# KiCad board rabbit_mask_capacitors.kicad_pcb (continued)
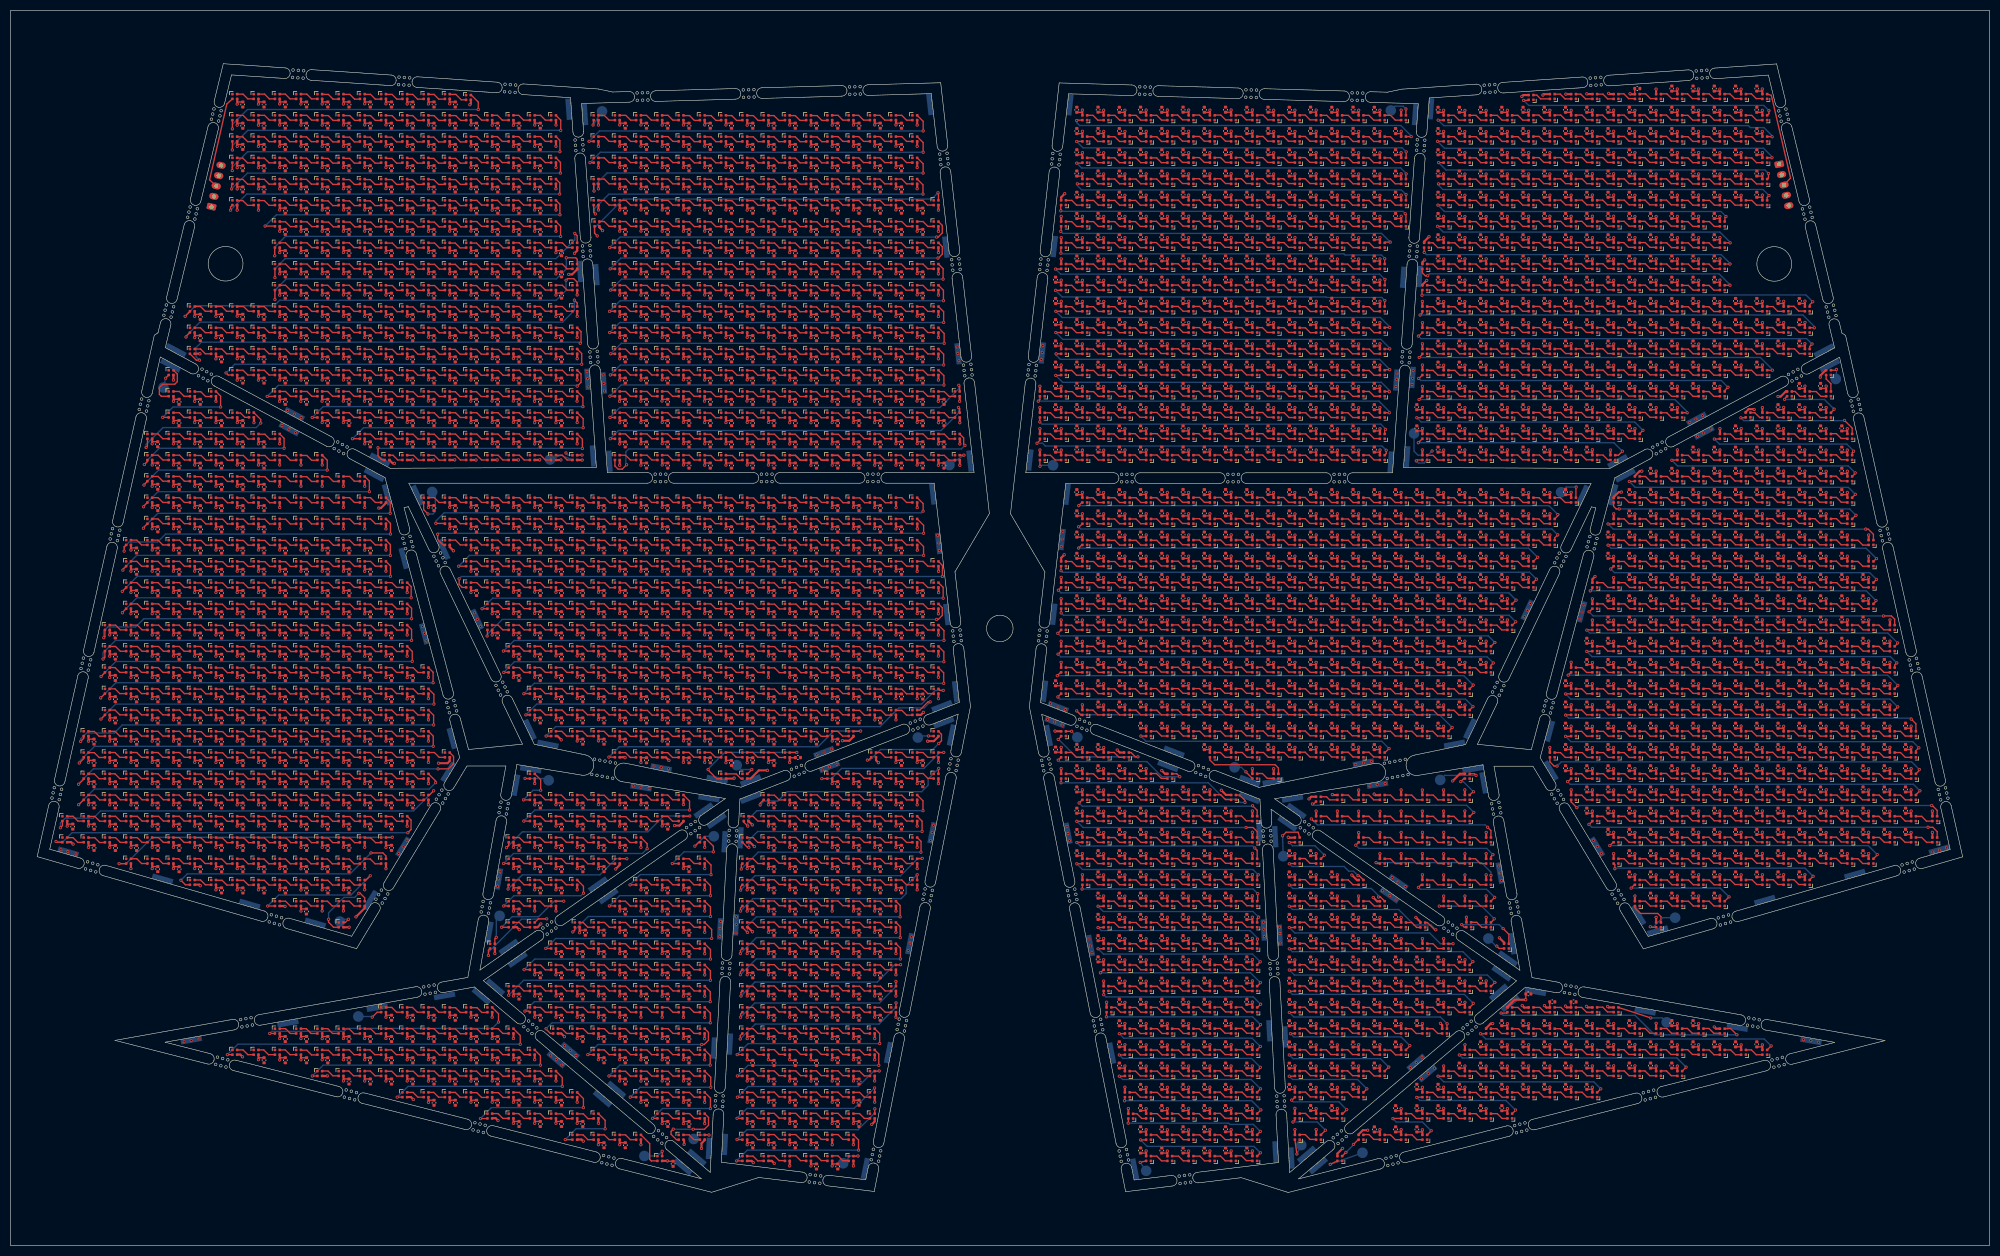
[diagram p0: board, top side]
## Nets (continued)
D1015.2 D1016.2 D1017.2 D1018.2 D1019.2 D1020.2 D1021.2 D1022.2 D1023.2 D1024.2 D1025.2 D1026.2 D1027.2 D1028.2 D1029.2 D1030.2 D1031.2 D1032.2 D1033.2 D1034.2 D1035.2 D1036.2 D1037.2 D1038.2 D1039.2 D1040.2 D1041.2 D1042.2 D1043.2 D1044.2 D1045.2 D1046.2 D1047.2 D1048.2 D1049.2 D1050.2 D1051.2 D1052.2 D1053.2 D1054.2 D1055.2 D1056.2 D1057.2 D1058.2 D1059.2 D1060.2 D1061.2 D1062.2 D1063.2 D1064.2 D1065.2 D1066.2 D1067.2 D1068.2 D1069.2 D1070.2 D1071.2 D1072.2 D1073.2 D1074.2 D1075.2 D1076.2 D1077.2 D1078.2 D1079.2 D1080.2 D1081.2 D1082.2 D1083.2 D1084.2 D1085.2 D1086.2 D1087.2 D1088.2 D1089.2 D1090.2 D1091.2 D1092.2 D1093.2 D1094.2 D1095.2 D1096.2 D1097.2 D1098.2 D1099.2 D1100.2 D1101.2 D1102.2 D1103.2 D1104.2 D1105.2 D1106.2 D1107.2 D1108.2 D1109.2 D1110.2 D1111.2 D1112.2 D1113.2 D1114.2 D1115.2 D1116.2 D1117.2 D1118.2 D1119.2 D1120.2 D1121.2 D1122.2 D1123.2 D1124.2 D1125.2 D1126.2 D1127.2 D1128.2 D1129.2 D1130.2 D1131.2 D1132.2 D1133.2 D1134.2 D1135.2 D1136.2 D1137.2 D1138.2 D1139.2 D1140.2 D1141.2 D1142.2 D1143.2 D1144.2 D1145.2 D1146.2 D1147.2 D1148.2 D1149.2 D1150.2 D1151.2 D1152.2 D1153.2 D1154.2 D1155.2 D1156.2 D1157.2 D1158.2 D1159.2 D1160.2 D1161.2 D1162.2 D1163.2 D1164.2 D1165.2 D1166.2 D1167.2 D1168.2 D1169.2 D1170.2 D1171.2 D1172.2 D1173.2 D1174.2 D1175.2 D1176.2 D1177.2 D1178.2 D1179.2 D1180.2 D1181.2 D1182.2 D1183.2 D1184.2 D1185.2 D1186.2 D1187.2 D1188.2 D1189.2 D1190.2 D1191.2 D1192.2 D1193.2 D1194.2 D1195.2 D1196.2 D1197.2 D1198.2 D1199.2 D1200.2 D1201.2 D1202.2 D1203.2 D1204.2 D1205.2 D1206.2 D1207.2 D1208.2 D1209.2 D1210.2 D1211.2 D1212.2 D1213.2 D1214.2 D1215.2 D1216.2 D1217.2 D1218.2 D1219.2 D1220.2 D1221.2 D1222.2 D1223.2 D1224.2 D1225.2 D1226.2 D1227.2 D1228.2 D1229.2 D1230.2 D1231.2 D1232.2 D1233.2 D1234.2 D1235.2 D1236.2 D1237.2 D1238.2 D1239.2 D1240.2 D1241.2 D1242.2 D1243.2 D1244.2 D1245.2 D1246.2 D1247.2 D1248.2 D1249.2 D1250.2 D1251.2 D1252.2 D1253.2 D1254.2 D1255.2 D1256.2 D1257.2 D1258.2 D1259.2 D1260.2 D1261.2 D1262.2 D1263.2 D1264.2 D1265.2 D1266.2 D1267.2 D1268.2 D1269.2 D1270.2 D1271.2 D1272.2 D1273.2 D1274.2 D1275.2 D1276.2 D1277.2 D1278.2 D1279.2 D1280.2 D1281.2 D1282.2 D1283.2 D1284.2 D1285.2 D1286.2 D1287.2 D1288.2 D1289.2 D1290.2 D1291.2 D1292.2 D1293.2 D1294.2 D1295.2 D1296.2 D1297.2 D1298.2 D1299.2 D1300.2 D1301.2 D1302.2 D1303.2 D1304.2 D1305.2 D1306.2 D1307.2 D1308.2 D1309.2 D1310.2 D1311.2 D1312.2 D1313.2 D1314.2 D1315.2 D1316.2 D1317.2 D1318.2 D1319.2 D1320.2 D1321.2 D1322.2 D1323.2 D1324.2 D1325.2 D1326.2 D1327.2 D1328.2 D1329.2 D1330.2 D1331.2 D1332.2 D1333.2 D1334.2 D1335.2 D1336.2 D1337.2 D1338.2 D1339.2 D1340.2 D1341.2 D1342.2 D1343.2 D1344.2 D1345.2 D1346.2 D1347.2 D1348.2 D1349.2 D1350.2 D1351.2 D1352.2 D1353.2 D1354.2 D1355.2 D1356.2 D1357.2 D1358.2 D1359.2 D1360.2 D1361.2 D1362.2 D1363.2 D1364.2 D1365.2 D1366.2 D1367.2 D1368.2 D1369.2 D1370.2 D1371.2 D1372.2 D1373.2 D1374.2 D1375.2 D1376.2 D1377.2 D1378.2 D1379.2 D1380.2 D1381.2 D1382.2 D1383.2 D1384.2 D1385.2 D1386.2 D1387.2 D1388.2 D1389.2 D1390.2 D1391.2 D1392.2 D1393.2 D1394.2 D1395.2 D1396.2 D1397.2 D1398.2 D1399.2 D1400.2 D1401.2 D1402.2 D1403.2 D1404.2 D1405.2 D1406.2 D1407.2 D1408.2 D1409.2 D1410.2 D1411.2 D1412.2 D1413.2 D1414.2 D1415.2 D1416.2 D1417.2 D1418.2 D1419.2 D1420.2 D1421.2 D1422.2 D1423.2 D1424.2 D1425.2 D1426.2 D1427.2 D1428.2 D1429.2 D1430.2 D1431.2 D1432.2 D1433.2 D1434.2 D1435.2 D1436.2 D1437.2 D1438.2 D1439.2 D1440.2 D1441.2 D1442.2 D1443.2 D1444.2 D1445.2 D1446.2 D1447.2 D1448.2 D1449.2 D1450.2 D1451.2 D1452.2 D1453.2 D1454.2 D1455.2 D1456.2 D1457.2 D1458.2 D1459.2 D1460.2 D1461.2 D1462.2 D1463.2 D1464.2 D1465.2 D1466.2 D1467.2 D1468.2 D1469.2 D1470.2 D1471.2 D1472.2 D1473.2 D1474.2 D1475.2 D1476.2 D1477.2 D1478.2 D1479.2 D1480.2 D1481.2 D1482.2 D1483.2 D1484.2 D1485.2 D1486.2 D1487.2 D1488.2 D1489.2 D1490.2 D1491.2 D1492.2 D1493.2 D1494.2 D1495.2 D1496.2 D1497.2 D1498.2 D1499.2 D1500.2 D1501.2 D1502.2 D1503.2 D1504.2 D1505.2 D1506.2 D1507.2 D1508.2 D1509.2 D1510.2 D1511.2 D1512.2 D1513.2 D1514.2 D1515.2 D1516.2 D1517.2 D1518.2 D1519.2 D1520.2 D1521.2 D1522.2 D1523.2 D1524.2 D1525.2 D1526.2 D1527.2 D1528.2 D1529.2 D1530.2 D1531.2 D1532.2 D1533.2 D1534.2 D1535.2 D1536.2 D1537.2 D1538.2 D1539.2 D1540.2 D1541.2 D1542.2 D1543.2 D1544.2 D1545.2 D1546.2 D1547.2 D1548.2 D1549.2 D1550.2 D1551.2 D1552.2 D1553.2 D1554.2 D1555.2 D1556.2 D1557.2 D1558.2 D1559.2 D1560.2 D1561.2 D1562.2 D1563.2 D1564.2 D1565.2 D1566.2 D1567.2 D1568.2 D1569.2 D1570.2 D1571.2 D1572.2 D1573.2 D1574.2 D1575.2 D1576.2 D1577.2 D1578.2 D1579.2 D1580.2 D1581.2 D1582.2 D1583.2 D1584.2 D1585.2 D1586.2 D1587.2 D1588.2 D1589.2 D1590.2 D1591.2 D1592.2 D1593.2 D1594.2 D1595.2 D1596.2 D1597.2 D1598.2 D1599.2 D1600.2 D1601.2 D1602.2 D1603.2 D1604.2 D1605.2 D1606.2 D1607.2 D1608.2 D1609.2 D1610.2 D1611.2 D1612.2 D1613.2 D1614.2 D1615.2 D1616.2 D1617.2 D1618.2 D1619.2 D1620.2 D1621.2 D1622.2 D1623.2 D1624.2 D1625.2 D1626.2 D1627.2 D1628.2 D1629.2 D1630.2 D1631.2 D1632.2 D1633.2 D1634.2 D1635.2 D1636.2 D1637.2 D1638.2 D1639.2 D1640.2 D1641.2 D1642.2 D1643.2 D1644.2 D1645.2 D1646.2 D1647.2 D1648.2 D1649.2 D1650.2 D1651.2 D1652.2 D1653.2 D1654.2 D1655.2 D1656.2 D1657.2 D1658.2 D1659.2 D1660.2 D1661.2 D1662.2 D1663.2 D1664.2 D1665.2 D1666.2 D1667.2 D1668.2 D1669.2 D1670.2 D1671.2 D1672.2 D1673.2 D1674.2 D1675.2 D1676.2 D1677.2 D1678.2 D1679.2 D1680.2 D1681.2 D1682.2 D1683.2 D1684.2 D1685.2 D1686.2 D1687.2 D1688.2 D1689.2 D1690.2 D1694.2 D1695.2 D1696.2 D1697.2 D1698.2 D1699.2 D1700.2 D1701.2 D1702.2 D1703.2 D1704.2 D1705.2 D1706.2 D1707.2 D1708.2 D1709.2 D1710.2 D1711.2 D1712.2 D1713.2 D1714.2 D1715.2 D1716.2 D1717.2 D1718.2 D1719.2 D1720.2 D1721.2 D1722.2 D1723.2 D1724.2 D1725.2 D1726.2 D1727.2 D1728.2 D1729.2 D1730.2 D1731.2 D1732.2 D1733.2 D1734.2 D1735.2 D1736.2 D1737.2 D1738.2 D1739.2 D1740.2 D1741.2 D1742.2 D1743.2 D1744.2 D1745.2 D1746.2 D1747.2 D1748.2 D1749.2 D1750.2 D1751.2 D1752.2 D1753.2 D1754.2 D1755.2 D1756.2 D1757.2 D1758.2 D1759.2 D1760.2 D1761.2 D1762.2 D1763.2 D1764.2 D1765.2 D1766.2 D1767.2 D1768.2 D1769.2 D1770.2 D1771.2 D1772.2 D1773.2 D1774.2 D1775.2 D1776.2 D1777.2 D1778.2 D1779.2 D1780.2 D1781.2 D1782.2 D1783.2 D1784.2 D1785.2 D1786.2 D1787.2 D1788.2 D1789.2 D1790.2 D1791.2 D1792.2 D1793.2 D1794.2 D1795.2 D1796.2 D1797.2 D1798.2 D1799.2 D1800.2 D1801.2 D1802.2 D1803.2 D1804.2 D1805.2 D1806.2 D1807.2 D1808.2 D1809.2 D1810.2 D1811.2 D1812.2 D1813.2 D1814.2 D1815.2 D1816.2 D1817.2 D1818.2 D1819.2 D1820.2 D1821.2 D1822.2 D1823.2 D1824.2 D1825.2 D1826.2 D1827.2 D1828.2 D1829.2 D1830.2 D1831.2 D1832.2 D1833.2 D1834.2 D1835.2 D1836.2 D1837.2 D1838.2 D1839.2 D1840.2 D1841.2 D1842.2 D1843.2 D1844.2 D1845.2 D1846.2 D1847.2 D1848.2 D1849.2 D1850.2 D1851.2 D1852.2 D1853.2 D1854.2 D1855.2 D1856.2 D1857.2 D1858.2 D1859.2 D1860.2 D1861.2 D1862.2 D1863.2 D1864.2 D1865.2 D1866.2 D1867.2 D1868.2 D1869.2 D1870.2 D1871.2 D1872.2 D1873.2 D1874.2 D1875.2 D1876.2 D1877.2 D1878.2 D1879.2 D1880.2 D1881.2 D1882.2 D1883.2 D1884.2 D1885.2 D1886.2 D1887.2 D1888.2 D1889.2 D1890.2 D1891.2 D1892.2 D1893.2 D1894.2 D1895.2 D1896.2 D1897.2 D1898.2 D1899.2 D1900.2 D1901.2 D1902.2 D1903.2 D1904.2 D1905.2 D1906.2 D1907.2 D1908.2 D1909.2 D1910.2 D1911.2 D1912.2 D1913.2 D1914.2 D1915.2 D1916.2 D1917.2 D1918.2 D1919.2 D1920.2 D1921.2 D1922.2 D1923.2 D1924.2 D1925.2 D1926.2 D1927.2 D1928.2 D1929.2 D1930.2 D1931.2 D1932.2 D1933.2 D1934.2 D1935.2 D1936.2 D1937.2 D1938.2 D1939.2 D1940.2 D1941.2 D1942.2 D1943.2 D1944.2 D1945.2 D1946.2 D1947.2 D1948.2 D1949.2 D1950.2 D1951.2 D1952.2 D1953.2 D1954.2 D1955.2 D1956.2 D1957.2 D1958.2 D1959.2 D1960.2 D1961.2 D1962.2 D1963.2 D1964.2 D1965.2 D1966.2 D1967.2 D1968.2 D1969.2 D1970.2 D1971.2 D1972.2 D1973.2 D1974.2 D1975.2 D1976.2 D1977.2 D1978.2 D1979.2 D1980.2 D1981.2 D1982.2 D1983.2 D1984.2 D1985.2 D1986.2 D1987.2 D1988.2 D1989.2 D1990.2 D1991.2 D1992.2 D1993.2 D1994.2 D1995.2 D1996.2 D1997.2 D1998.2 D1999.2 D2000.2 D2001.2 D2002.2 D2003.2 D2004.2 D2005.2 D2006.2 D2007.2 D2008.2 D2009.2 D2010.2 D2011.2 D2012.2 D2013.2 D2014.2 D2015.2 D2016.2 D2017.2 D2018.2 D2019.2 D2020.2 D2021.2 D2022.2 D2023.2 D2024.2 D2025.2 D2026.2 D2027.2 D2028.2 D2029.2 D2030.2 D2031.2 D2032.2 D2033.2 D2034.2 D2035.2 D2036.2 D2037.2 D2038.2 D2039.2 D2040.2 D2041.2 D2042.2 D2043.2 D2044.2 D2045.2 D2046.2 D2047.2 D2048.2 D2049.2 D2050.2 D2051.2 D2052.2 D2053.2 D2054.2 D2055.2 D2056.2 D2057.2 D2058.2 D2059.2 D2060.2 D2061.2 D2062.2 D2063.2 D2064.2 D2065.2 D2066.2 D2067.2 D2068.2 D2069.2 D2070.2 D2071.2 D2072.2 D2073.2 D2074.2 D2075.2 D2076.2 D2077.2 D2078.2 D2079.2 D2080.2 D2081.2 D2082.2 D2083.2 D2084.2 D2085.2 D2086.2 D2087.2 D2088.2 D2089.2 D2090.2 D2091.2 D2092.2 D2093.2 D2094.2 D2095.2 D2096.2 D2097.2 D2098.2 D2099.2 D2100.2 D2101.2 D2102.2 D2103.2 D2104.2 D2105.2 D2106.2 D2107.2 D2108.2 D2109.2 D2110.2 D2111.2 D2112.2 D2113.2 D2114.2 D2115.2 D2116.2 D2117.2 D2118.2 D2119.2 D2120.2 D2121.2 D2122.2 D2123.2 D2124.2 D2125.2 D2126.2 D2127.2 D2128.2 D2129.2 D2130.2 D2131.2 D2132.2 D2133.2 D2134.2 D2135.2 D2136.2 D2137.2 D2138.2 D2139.2 D2140.2 D2141.2 D2142.2 D2143.2 D2144.2 D2145.2 D2146.2 D2147.2 D2148.2 D2149.2 D2150.2 D2151.2 D2152.2 D2153.2 D2154.2 D2155.2 D2156.2 D2157.2 D2158.2 D2159.2 D2160.2 D2161.2 D2162.2 D2163.2 D2164.2 D2165.2 D2166.2 D2167.2 D2168.2 D2169.2 D2170.2 D2171.2 D2172.2 D2173.2 D2174.2 D2175.2 D2176.2 D2177.2 D2178.2 D2179.2 D2180.2 D2181.2 D2182.2 D2183.2 D2184.2 D2185.2 D2186.2 D2187.2 D2188.2 D2189.2 D2190.2 D2191.2 D2192.2 D2193.2 D2194.2 D2195.2 D2196.2 D2197.2 D2198.2 D2199.2 D2200.2 D2201.2 D2202.2 D2203.2 D2204.2 D2205.2 D2206.2 D2207.2 D2208.2 D2209.2 D2210.2 D2211.2 D2212.2 D2213.2 D2214.2 D2215.2 D2216.2 D2217.2 D2218.2 D2219.2 D2220.2 D2221.2 D2222.2 D2223.2 D2224.2 D2225.2 D2226.2 D2227.2 D2228.2 D2229.2 D2230.2 D2231.2 D2232.2 D2233.2 D2234.2 D2235.2 D2236.2 D2237.2 D2238.2 D2239.2 D2240.2 D2241.2 D2242.2 D2243.2 D2244.2 D2245.2 D2246.2 D2247.2 D2248.2 D2249.2 D2250.2 D2251.2 D2252.2 D2253.2 D2254.2 D2255.2 D2256.2 D2257.2 D2258.2 D2259.2 D2260.2 D2261.2 D2262.2 D2263.2 D2264.2 D2265.2 D2266.2 D2267.2 D2268.2 D2269.2 D2270.2 D2271.2 D2272.2 D2273.2 D2274.2 D2275.2 D2276.2 D2277.2 D2278.2 D2279.2 D2280.2 D2281.2 D2282.2 D2283.2 D2284.2 D2285.2 D2286.2 D2287.2 D2288.2 D2289.2 D2290.2 D2291.2 D2292.2 D2293.2 D2294.2 D2295.2 D2296.2 D2297.2 D2298.2 D2299.2 D2300.2 D2301.2 D2302.2 D2303.2 D2304.2 D2305.2 D2306.2 D2307.2 D2308.2 D2309.2 D2310.2 D2311.2 D2312.2 D2313.2 D2314.2 D2315.2 D2316.2 D2317.2 D2318.2 D2319.2 D2320.2 D2321.2 D2322.2 D2323.2 D2324.2 D2325.2 D2326.2 D2327.2 D2328.2 D2329.2 D2330.2 D2331.2 D2332.2 D2333.2 D2334.2 D2335.2 D2336.2 D2337.2 D2338.2 D2339.2 D2340.2 D2341.2 D2342.2 D2343.2 D2344.2 D2345.2 D2346.2 D2347.2 D2348.2 D2349.2 D2350.2 D2351.2 D2352.2 D2353.2 D2354.2 D2355.2 D2356.2 D2357.2 D2358.2 D2359.2 D2360.2 D2361.2 D2362.2 D2363.2 D2364.2 D2365.2 D2366.2 D2367.2 D2368.2 D2369.2 D2370.2 D2371.2 D2372.2 D2373.2 D2374.2 D2375.2 D2376.2 D2377.2 D2378.2 D2379.2 D2380.2 D2381.2 D2382.2 D2383.2 D2384.2 D2385.2 D2386.2 D2387.2 D2388.2 D2389.2 D2390.2 D2391.2 D2392.2 D2393.2 D2394.2 D2395.2 D2396.2 D2397.2 D2398.2 D2399.2 D2400.2 D2401.2 D2402.2 D2403.2 D2404.2 D2405.2 D2406.2 D2407.2 D2408.2 D2409.2 D2410.2 D2411.2 D2412.2 D2413.2 D2414.2 D2415.2 D2416.2 D2417.2 D2418.2 D2419.2 D2420.2 D2421.2 D2422.2 D2423.2 D2424.2 D2425.2 D2426.2 D2427.2 D2428.2 D2429.2 D2430.2 D2431.2 D2432.2 D2433.2 D2434.2 D2435.2 D2436.2 D2437.2 D2438.2 D2439.2 D2440.2 D2441.2 D2442.2 D2443.2 D2444.2 D2445.2 D2446.2 D2447.2 D2448.2 D2449.2 D2450.2 D2451.2 D2452.2 D2453.2 D2454.2 D2455.2 D2456.2 D2457.2 D2458.2 D2459.2 D2460.2 D2461.2 D2462.2 D2463.2 D2464.2 D2465.2 D2466.2 D2467.2 D2468.2 D2469.2 D2470.2 D2471.2 D2472.2 D2473.2 D2474.2 D2475.2 D2476.2 D2477.2 D2478.2 D2479.2 D2480.2 D2481.2 D2482.2 D2483.2 D2484.2 D2485.2 D2486.2 D2487.2 D2488.2 D2489.2 D2490.2 D2491.2 D2492.2 D2493.2 D2494.2 D2495.2 D2496.2 D2497.2 D2498.2 D2499.2 D2500.2 D2501.2 D2502.2 D2503.2 D2504.2 D2505.2 D2506.2 D2507.2 D2508.2 D2509.2 D2510.2 D2511.2 D2512.2 D2513.2 D2514.2 D2515.2 D2516.2 D2517.2 D2518.2 D2519.2 D2520.2 D2521.2 D2522.2 D2523.2 D2524.2 D2525.2 D2526.2 D2527.2 D2528.2 D2529.2 D2530.2 D2531.2 D2532.2 D2533.2 D2534.2 D2535.2 D2536.2 D2537.2 D2538.2 D2539.2 D2540.2 D2541.2 D2542.2 D2543.2 D2544.2 D2545.2 D2546.2 D2547.2 D2548.2 D2549.2 D2550.2 D2551.2 D2552.2 D2553.2 D2554.2 D2555.2 D2556.2 D2557.2 D2558.2 D2559.2 D2560.2 D2561.2 D2562.2 D2563.2 D2564.2 D2565.2 D2566.2 D2567.2 D2568.2 D2569.2 D2570.2 D2571.2 D2572.2 D2573.2 D2574.2 D2575.2 D2576.2 D2577.2 D2578.2 D2579.2 D2580.2 D2581.2 D2582.2 D2583.2 D2584.2 D2585.2 D2586.2 D2587.2 D2588.2 D2589.2 D2590.2 D2591.2 D2592.2 D2593.2 D2594.2 D2595.2 D2596.2 D2597.2 D2598.2 D2599.2 D2600.2 D2601.2 D2602.2 D2603.2 D2604.2 D2605.2 D2606.2 D2607.2 D2608.2 D2609.2 D2610.2 D2611.2 D2612.2 D2613.2 D2614.2 D2615.2 D2616.2 D2617.2 D2618.2 D2619.2 D2620.2 D2621.2 D2622.2 D2623.2 D2624.2 D2625.2 D2626.2 D2627.2 D2628.2 D2629.2 D2630.2 D2631.2 D2632.2 D2633.2 D2634.2 D2635.2 D2636.2 D2637.2 D2638.2 D2639.2 D2640.2 D2641.2 D2642.2 D2643.2 D2644.2 D2645.2 D2646.2 D2647.2 D2648.2 D2649.2 D2650.2 D2651.2 D2652.2 D2653.2 D2654.2 D2655.2 D2656.2 D2657.2 D2658.2 D2659.2 D2660.2 D2661.2 D2662.2 D2663.2 D2664.2 D2665.2 D2666.2 D2667.2 D2668.2 D2669.2 D2670.2 D2671.2 D2672.2 D2673.2 D2674.2 D2675.2 D2676.2 D2677.2 D2678.2 D2679.2 D2680.2 D2681.2 D2682.2 D2683.2 D2684.2 D2685.2 D2686.2 D2687.2 D2688.2 D2689.2 D2690.2 D2691.2 D2692.2 D2693.2 D2694.2 D2695.2 D2696.2 D2697.2 D2698.2 D2699.2 D2700.2 D2701.2 D2702.2 D2703.2 D2704.2 D2705.2 D2706.2 D2707.2 D2708.2 D2709.2 D2710.2 D2711.2 D2712.2 D2713.2 D2714.2 D2715.2 D2716.2 D2717.2 D2718.2 D2719.2 D2720.2 D2721.2 D2722.2 D2723.2 D2724.2 D2725.2 D2726.2 D2727.2 D2728.2 D2729.2 D2730.2 D2731.2 D2732.2 D2733.2 D2734.2 D2735.2 D2736.2 D2737.2 D2738.2 D2739.2 D2740.2 D2741.2 D2742.2 D2743.2 D2744.2 D2745.2 D2746.2 D2747.2 D2748.2 D2749.2 D2750.2 D2751.2 D2752.2 D2753.2 D2754.2 D2755.2 D2756.2 D2757.2 D2758.2 D2759.2 D2760.2 D2761.2 D2762.2 D2763.2 D2764.2 D2765.2 D2766.2 D2767.2 D2768.2 D2769.2 D2770.2 D2771.2 D2772.2 D2773.2 D2774.2 D2775.2 D2776.2 D2777.2 D2778.2 D2779.2 D2780.2 D2781.2 D2782.2 D2783.2 D2784.2 D2785.2 D2786.2 D2787.2 D2788.2 D2789.2 D2790.2 D2791.2 D2792.2 D2793.2 D2794.2 D2795.2 D2796.2 D2797.2 D2798.2 D2799.2 D2800.2 D2801.2 D2802.2 D2803.2 D2804.2 D2805.2 D2806.2 D2807.2 D2808.2 D2809.2 D2810.2 D2811.2 D2812.2 D2813.2 D2814.2 D2815.2 D2816.2 D2817.2 D2818.2 D2819.2 D2820.2 D2821.2 D2822.2 D2823.2 D2824.2 D2825.2 D2826.2 D2827.2 D2828.2 D2829.2 D2830.2 D2831.2 D2832.2 D2833.2 D2834.2 D2835.2 D2836.2 D2837.2 D2838.2 D2839.2 D2840.2 D2841.2 D2842.2 D2843.2 D2844.2 D2845.2 D2846.2 D2847.2 D2848.2 D2849.2 D2850.2 D2851.2 D2852.2 D2853.2 D2854.2 D2855.2 D2856.2 D2857.2 D2858.2 D2859.2 D2860.2 D2861.2 D2862.2 D2863.2 D2864.2 D2865.2 D2866.2 D2867.2 D2868.2 D2869.2 D2870.2 D2871.2 D2872.2 D2873.2 D2874.2 D2875.2 D2876.2 D2877.2 D2878.2 D2879.2 D2880.2 D2881.2 D2882.2 D2883.2 D2884.2 D2885.2 D2886.2 D2887.2 D2888.2 D2889.2 D2890.2 D2891.2 D2892.2 D2893.2 D2894.2 D2895.2 D2896.2 D2897.2 D2898.2 D2899.2 D2900.2 D2901.2 D2902.2 D2903.2 D2904.2 D2905.2 D2906.2 D2907.2 D2908.2 D2909.2 D2910.2 D2911.2 D2912.2 D2913.2 D2914.2 D2915.2 D2916.2 D2917.2 D2918.2 D2919.2 D2920.2 D2921.2 D2922.2 D2923.2 D2924.2 D2925.2 D2926.2 D2927.2 D2928.2 D2929.2 D2930.2 D2931.2 D2932.2 D2933.2 D2934.2 D2935.2 D2936.2 D2937.2 D2938.2 D2939.2 D2940.2 D2941.2 D2942.2 D2943.2 D2944.2 D2945.2 D2946.2 D2947.2 D2948.2 D2949.2 D2950.2 D2951.2 D2952.2 D2953.2 D2954.2 D2955.2 D2956.2 D2957.2 D2958.2 D2959.2 D2960.2 D2961.2 D2962.2 D2963.2 D2964.2 D2965.2 D2966.2 D2967.2 D2968.2 J1485.1 J1485.2 J1486.1 J1486.2 J1487.1 J1487#2.1 J1487#3.1 J1487#4.1 J1487#5.1 J1487#6.1 J1487#7.1 J1487#8.1 J1487#9.1 J1487#10.1 J1487#11.1 J1487#12.1 J1487#13.1 J1487#14.1 J1487#15.1 J1487#16.1 J1487#17.1 J1487#18.1 J1487#19.1 J1487#20.1 J1487#21.1 J1487#22.1 J1487#23.1 J1487#24.1 J1487#25.1 J1487#26.1 J1487#27.1 J1487#28.1 J1487#29.1 J1487#30.1 J1487#31.1 J1487#32.1 J1487#33.1 J1487#34.1 J1487#35.1 J1487#36.1 J1487#37.1 J1487#38.1 J1487#39.1 J1487#40.1 J1487#41.1 J1487#42.1 J1487#43.1 J1487#44.1 J1487#45.1 J1487#46.1 J1487#47.1 J1487#48.1 J1487#49.1 J1487#50.1 J1487#51.1 J1487#52.1 J1487#53.1 J1487#54.1 J1487#55.1 J1487#56.1 J1487#57.1 J1487#58.1 J1487#59.1 J1487#60.1 J1487#61.1 J1487#62.1 J1487#63.1 J1487#64.1 J1487#65.1 J1487#66.1 J1487#67.1 J1487#68.1 J1487#69.1 J1487#70.1 J1487#71.1 J1487#72.1 J1487#73.1 J1487#74.1 J1487#75.1 J1487#76.1 J1487#77.1 J1487#78.1 J1487#79.1 J1487#80.1 J1487#81.1 J1487#82.1 J1487#83.1 J1487#84.1 J1487#85.1 J1487#86.1 J1487#87.1 J1487#88.1 J1487#89.1 J1487#90.1 J1487#91.1 J1487#92.1 J1487#93.1 J1487#94.1 J1487#95.1 J1487#96.1 J1487#97.1 J1487#98.1 J1487#99.1 J1487#100.1 J1487#101.1 J1487#102.1 J1487#103.1 J1487#104.1 J1487#105.1 J1487#106.1 J1487#107.1 J1487#108.1 J1487#109.1 J1487#110.1 J1487#111.1 J1488.1 J1489.1 J1490.1 J1491.1 J1492.1
